# KiCad board haptic display 8x8 aisler.kicad_pcb (continued)
## Routing (per net, layer and track width the routed paths; a pad name or vN(x,y) marks a point on that pad's centre or on a via; arc(x,y) is an arc through that point) (continued)
  In1.Cu w0.15: v1(65.35,120) 65,120.35 65,120.55 64.68,120.56 64.37,120.6 64.06,120.66 63.75,120.74 63.45,120.84 63.16,120.97 62.88,121.11 62.61,121.28 62.35,121.46 62.1,121.66 61.88,121.88 61.66,122.11 61.47,122.36 61.29,122.62 61.13,122.89 60.99,123.17 60.88,123.46 60.78,123.76 60.7,124.07 60.65,124.37 60.62,124.69 60.61,125 60.63,125.31 60.66,125.62 60.72,125.93 60.8,126.23 60.9,126.53 61.02,126.82 61.17,127.09 61.33,127.36 61.51,127.61 61.71,127.85 61.92,128.08 62.15,128.29 62.39,128.48 62.65,128.66 62.92,128.81 63.2,128.95 63.48,129.07 63.78,129.16 64.08,129.23 64.38,129.29 64.69,129.32 65,129.32 65.31,129.31 65.61,129.28 65.92,129.22 66.22,129.14 66.51,129.04 66.79,128.92 67.06,128.78 67.33,128.62 67.58,128.44 67.81,128.25 68.04,128.04 68.24,127.81 68.43,127.57 68.6,127.32 68.76,127.05 68.89,126.78 69.01,126.49 69.1,126.2 69.17,125.91 69.22,125.61 69.25,125.3 69.26,125 69.25,124.7 69.21,124.39 69.16,124.1 69.08,123.8 68.98,123.52 68.86,123.24 68.72,122.97 68.57,122.71 68.39,122.46 68.2,122.23 67.99,122.01 67.77,121.8 67.53,121.62 67.28,121.45 67.02,121.3 66.75,121.16 66.47,121.05 66.19,120.96 65.89,120.89 65.6,120.84 65.3,120.81 65,120.8 64.69,120.81 64.37,120.85 64.07,120.91 63.77,121 63.47,121.1 63.19,121.23 62.91,121.38 62.65,121.55 62.4,121.74 62.16,121.94 61.95,122.17 61.74,122.4 61.56,122.66 61.4,122.92 61.26,123.2 61.13,123.48 61.03,123.78 60.96,124.08 60.9,124.38 60.87,124.69 60.86,125 60.88,125.31 60.91,125.62 60.97,125.92 61.06,126.22 61.16,126.51 61.29,126.79 61.43,127.06 61.6,127.32 61.79,127.56 61.99,127.79 62.21,128.01 62.44,128.21 62.69,128.39 62.95,128.55 63.22,128.69 63.51,128.81 63.8,128.91 64.09,128.98 64.39,129.04 64.7,129.07 65,129.07 65.3,129.06 65.61,129.02 65.9,128.96 66.2,128.88 66.48,128.78 66.76,128.66 67.03,128.51 67.28,128.35 67.52,128.17 67.75,127.97 67.96,127.75 68.16,127.52 68.33,127.27 68.49,127.02 68.63,126.75 68.75,126.47 68.85,126.19 68.92,125.89 68.97,125.6 69,125.3 69.01,125 69,124.7 68.96,124.4 68.9,124.11 68.82,123.82 68.72,123.54 68.6,123.27 68.46,123 68.3,122.75 68.12,122.51 67.92,122.29 67.71,122.08 67.48,121.89 67.24,121.72 66.99,121.56 66.72,121.43 66.45,121.31 66.17,121.21 65.88,121.14 65.59,121.09 65.3,121.06 65,121.05 64.69,121.07 64.38,121.1 64.08,121.17 63.78,121.26 63.49,121.37 63.22,121.5 62.95,121.65 62.69,121.82 62.45,122.02 62.23,122.23 62.02,122.46 61.83,122.7 61.67,122.96 61.52,123.23 61.39,123.51 61.29,123.79 61.21,124.09 61.15,124.39 61.12,124.69 61.11,125 61.13,125.3 61.17,125.61 61.23,125.91 61.31,126.2 61.42,126.48 61.55,126.76 61.7,127.02 61.88,127.27 62.07,127.51 62.27,127.73 62.5,127.93 62.74,128.11 62.99,128.28 63.25,128.42 63.53,128.55 63.81,128.65 64.1,128.73 64.4,128.78 64.7,128.82 65,128.82 65.3,128.81 65.6,128.77 65.89,128.71 66.18,128.63 66.46,128.52 66.73,128.39 66.99,128.24 67.23,128.07 67.47,127.89 67.68,127.68 67.88,127.46 68.06,127.23 68.23,126.98 68.37,126.72 68.49,126.45 68.59,126.17 68.67,125.88 68.72,125.59 68.75,125.3 68.76,125 68.75,124.71 68.71,124.41 68.65,124.12 68.57,123.84 68.46,123.57 68.34,123.3 68.19,123.05 68.02,122.8 67.84,122.57 67.64,122.36 67.42,122.17 67.19,121.99 66.94,121.83 66.69,121.69 66.42,121.57 66.15,121.47 65.87,121.39 65.58,121.34 65.29,121.31 65,121.3 64.69,121.32 64.39,121.36 64.09,121.42 63.8,121.51 63.52,121.63 63.25,121.76 62.99,121.92 62.74,122.1 62.51,122.3 62.3,122.52 62.11,122.75 61.94,123 61.78,123.26 61.65,123.53 61.55,123.81 61.46,124.1 61.41,124.4 61.37,124.7 61.36,125 61.38,125.3 61.42,125.6 61.48,125.89 61.57,126.18 61.68,126.45 61.82,126.72 61.97,126.98 62.15,127.22 62.35,127.44 62.56,127.65 62.79,127.84 63.03,128.01 63.29,128.16 63.56,128.29 63.83,128.39 64.12,128.48 64.41,128.53 64.7,128.57 65,128.57 65.29,128.56 65.59,128.52 65.88,128.46 66.16,128.37 66.43,128.26 66.69,128.13 66.94,127.97 67.18,127.8 67.4,127.61 67.61,127.4 67.79,127.17 67.96,126.93 68.11,126.68 68.23,126.42 68.33,126.14 68.41,125.86 68.47,125.58 68.5,125.29 68.51,125 68.5,124.71 68.46,124.42 68.4,124.14 68.31,123.86 68.2,123.6 68.07,123.34 67.92,123.09 67.75,122.86 67.56,122.64 67.36,122.44 67.14,122.26 66.9,122.09 66.65,121.95 66.39,121.83 66.12,121.72 65.85,121.65 65.57,121.59 65.29,121.56 65,121.55 64.7,121.57 64.4,121.61 64.11,121.68 63.82,121.77 63.55,121.89 63.29,122.03 63.04,122.19 62.8,122.38 62.58,122.58 62.38,122.8 62.21,123.04 62.05,123.3 61.91,123.56 61.8,123.84 61.72,124.12 61.66,124.41 61.62,124.7 61.61,125 61.63,125.29 61.67,125.59 61.74,125.87 61.83,126.15 61.95,126.42 62.08,126.68 62.25,126.93 62.43,127.16 62.63,127.37 62.84,127.57 63.08,127.74 63.33,127.9 63.59,128.03 63.86,128.14 64.14,128.22 64.42,128.28 64.71,128.32 65,128.32 65.29,128.31 65.58,128.27 65.86,128.2 66.13,128.11 66.4,128 66.65,127.86 66.89,127.7 67.12,127.53 67.33,127.33 67.52,127.11 67.69,126.89 67.84,126.64 67.97,126.39 68.08,126.12 68.16,125.85 68.22,125.57 68.25,125.28 68.26,125 68.25,124.72 68.21,124.43 68.14,124.16 68.05,123.89 67.94,123.63 67.81,123.38 67.65,123.14 67.48,122.92 67.28,122.72 67.07,122.53 66.85,122.36 66.61,122.21 66.36,122.08 66.1,121.98 65.83,121.9 65.56,121.84 65.28,121.81 65,121.8 64.71,121.82 64.41,121.86 64.13,121.93 63.85,122.03 63.58,122.15 63.33,122.3 63.09,122.47 62.86,122.66 62.66,122.87 62.48,123.09 62.31,123.34 62.17,123.59 62.06,123.86 61.97,124.14 61.91,124.42 61.87,124.71 61.86,125 61.88,125.29 61.92,125.58 61.99,125.86 62.09,126.13 62.21,126.39 62.35,126.64 62.52,126.88 62.7,127.09 62.91,127.29 63.13,127.47 63.37,127.63 63.62,127.77 63.88,127.88 64.16,127.97 64.43,128.03 64.72,128.07 65,128.07 65.28,128.06 65.56,128.02 65.84,127.95 66.11,127.85 66.36,127.74 66.61,127.6 66.84,127.43 67.05,127.25 67.25,127.05 67.42,126.83 67.58,126.6 67.71,126.35 67.82,126.09 67.91,125.83 67.97,125.55 68,125.28 68.01,125 68,124.72 67.95,124.45 67.89,124.18 67.8,123.92 67.68,123.67 67.54,123.43 67.38,123.2 67.2,122.99 67.01,122.8 66.79,122.63 66.56,122.47 66.32,122.34 66.07,122.24 65.81,122.15 65.54,122.09 65.27,122.06 65,122.05 64.71,122.07 64.43,122.11 64.15,122.19 63.88,122.29 63.62,122.42 63.37,122.57 63.15,122.74 62.94,122.94 62.75,123.15 62.58,123.38 62.44,123.63 62.32,123.89 62.23,124.16 62.16,124.44 62.12,124.72 62.11,125 62.13,125.28 62.18,125.56 62.25,125.83 62.35,126.1 62.47,126.35 62.62,126.59 62.79,126.81 62.98,127.02 63.19,127.2 63.42,127.37 63.66,127.51 63.91,127.62 64.18,127.71 64.45,127.78 64.72,127.82 65,127.83 65.28,127.81 65.55,127.76 65.82,127.69 66.08,127.6 66.32,127.47 66.56,127.33 66.77,127.16 66.98,126.98 67.16,126.77 67.32,126.55 67.45,126.31 67.57,126.06 67.65,125.81 67.72,125.54 67.75,125.27 67.76,125 67.75,124.73 67.7,124.46 67.63,124.2 67.54,123.95 67.42,123.71 67.28,123.48 67.11,123.26 66.93,123.07 66.73,122.89 66.51,122.74 66.28,122.6 66.04,122.49 65.79,122.41 65.53,122.34 65.27,122.31 65,122.3 64.72,122.32 64.44,122.37 64.17,122.44 63.91,122.55 63.66,122.68 63.43,122.84 63.21,123.02 63.02,123.22 62.85,123.44 62.7,123.67 62.58,123.92 62.48,124.18 62.41,124.45 62.37,124.72 62.36,125 62.38,125.28 62.43,125.55 62.5,125.81 62.61,126.07 62.73,126.31 62.89,126.54 63.06,126.75 63.26,126.94 63.47,127.1 63.7,127.25 63.95,127.37 64.2,127.46 64.46,127.53 64.73,127.57 65,127.58 65.27,127.56 65.53,127.51 65.79,127.44 66.04,127.34 66.28,127.21 66.5,127.06 66.7,126.89 66.89,126.7 67.05,126.49 67.19,126.27 67.31,126.03 67.4,125.78 67.47,125.52 67.5,125.26 67.51,125 67.49,124.74 67.45,124.48 67.38,124.23 67.28,123.98 67.16,123.75 67.01,123.54 66.85,123.34 66.66,123.16 66.45,123 66.24,122.86 66,122.75 65.76,122.66 65.51,122.6 65.26,122.56 65,122.55 64.73,122.57 64.46,122.62 64.2,122.7 63.94,122.81 63.71,122.94 63.49,123.11 63.29,123.29 63.11,123.49 62.96,123.72 62.83,123.96 62.73,124.21 62.66,124.47 62.62,124.73 62.61,125 62.63,125.27 62.68,125.53 62.76,125.78 62.87,126.03 63,126.26 63.15,126.47 63.33,126.67 63.53,126.84 63.75,126.99 63.98,127.11 64.23,127.21 64.48,127.28 64.74,127.31 65,127.33 65.26,127.31 65.52,127.26 65.76,127.18 66,127.08 66.23,126.95 66.43,126.8 66.62,126.62 66.79,126.43 66.93,126.22 67.05,125.99 67.15,125.75 67.21,125.51 67.25,125.25 67.26,125 67.24,124.75 67.2,124.5 67.12,124.26 67.02,124.03 66.9,123.81 66.75,123.61 66.58,123.42 66.39,123.26 66.18,123.12 65.96,123 65.73,122.91 65.49,122.85 65.25,122.81 65,122.8 64.74,122.82 64.48,122.87 64.22,122.96 63.99,123.07 63.76,123.21 63.56,123.37 63.38,123.56 63.22,123.77 63.09,124 62.99,124.24 62.92,124.49 62.87,124.74 62.86,125 62.88,125.26 62.93,125.51 63.01,125.75 63.12,125.98 63.26,126.2 63.42,126.4 63.6,126.57 63.81,126.73 64.03,126.85 64.26,126.95 64.5,127.02 64.75,127.06 65,127.08 65.25,127.06 65.49,127.01 65.73,126.93 65.96,126.82 66.17,126.69 66.36,126.53 66.53,126.35 66.68,126.16 66.8,125.94 66.9,125.72 66.96,125.48 67,125.24 67.01,125 66.99,124.76 66.94,124.52 66.87,124.29 66.76,124.07 66.64,123.87 66.48,123.68 66.31,123.52 66.12,123.38 65.92,123.26 65.7,123.16 65.47,123.1 65.24,123.06 65,123.05 64.75,123.07 64.5,123.13 64.26,123.21 64.04,123.33 63.83,123.47 63.64,123.64 63.48,123.84 63.35,124.05 63.24,124.27 63.17,124.51 63.12,124.75 63.11,125 63.13,125.25 63.19,125.49 63.27,125.72 63.38,125.93 63.52,126.13 63.69,126.31 63.87,126.47 64.08,126.6 64.3,126.7 64.52,126.77 64.76,126.81 65,126.83 65.24,126.8 65.47,126.75 65.69,126.67 65.9,126.56 66.1,126.43 66.27,126.27 66.42,126.09 66.54,125.89 66.64,125.68 66.71,125.46 66.75,125.23 66.76,125 66.74,124.77 66.69,124.55 66.61,124.33 66.51,124.13 66.38,123.94 66.22,123.78 66.05,123.63 65.86,123.51 65.66,123.41 65.44,123.35 65.22,123.31 65,123.3 64.76,123.32 64.52,123.38 64.3,123.47 64.09,123.59 63.91,123.74 63.74,123.91 63.6,124.1 63.49,124.31 63.42,124.54 63.37,124.77 63.36,125 63.38,125.23 63.44,125.46 63.53,125.67 63.64,125.87 63.78,126.05 63.95,126.21 64.14,126.34 64.34,126.45 64.55,126.52 64.78,126.56 65,126.58 65.22,126.55 65.44,126.5 65.65,126.42 65.84,126.31 66.01,126.17 66.16,126.01 66.29,125.83 66.39,125.64 66.46,125.43 66.5,125.22 66.51,125 66.49,124.79 66.44,124.58 66.36,124.38 66.25,124.19 66.12,124.03 65.97,123.88 65.8,123.76 65.61,123.67 65.41,123.6 65.21,123.56 65,123.55 65,123.6 64.63,123.97 64.59,123.98 ; v1(65.35,105) 65,105.35 65,105.55 64.68,105.56 64.37,105.6 64.06,105.66 63.75,105.74 63.45,105.84 63.16,105.97 62.88,106.11 62.61,106.28 62.35,106.46 62.1,106.66 61.88,106.88 61.66,107.11 61.47,107.36 61.29,107.62 61.13,107.89 60.99,108.17 60.88,108.46 60.78,108.76 60.7,109.07 60.65,109.37 60.62,109.69 60.61,110 60.63,110.31 60.66,110.62 60.72,110.93 60.8,111.23 60.9,111.53 61.02,111.82 61.17,112.09 61.33,112.36 61.51,112.61 61.71,112.85 61.92,113.08 62.15,113.29 62.39,113.48 62.65,113.66 62.92,113.81 63.2,113.95 63.48,114.07 63.78,114.16 64.08,114.23 64.38,114.29 64.69,114.32 65,114.33 65.31,114.31 65.61,114.28 65.92,114.22 66.22,114.14 66.51,114.04 66.79,113.92 67.06,113.78 67.33,113.62 67.58,113.44 67.81,113.25 68.04,113.04 68.24,112.81 68.43,112.57 68.6,112.32 68.76,112.05 68.89,111.78 69.01,111.49 69.1,111.2 69.17,110.91 69.22,110.61 69.25,110.3 69.26,110 69.25,109.7 69.21,109.39 69.16,109.1 69.08,108.8 68.98,108.52 68.86,108.24 68.72,107.97 68.57,107.71 68.39,107.46 68.2,107.23 67.99,107.01 67.77,106.8 67.53,106.62 67.28,106.45 67.02,106.3 66.75,106.16 66.47,106.05 66.19,105.96 65.89,105.89 65.6,105.84 65.3,105.81 65,105.8 64.69,105.81 64.37,105.85 64.07,105.91 63.77,106 63.47,106.1 63.19,106.23 62.91,106.38 62.65,106.55 62.4,106.74 62.16,106.94 61.95,107.17 61.74,107.4 61.56,107.66 61.4,107.92 61.26,108.2 61.13,108.48 61.03,108.78 60.96,109.08 60.9,109.38 60.87,109.69 60.86,110 60.88,110.31 60.91,110.62 60.97,110.92 61.06,111.22 61.16,111.51 61.29,111.79 61.43,112.06 61.6,112.32 61.79,112.56 61.99,112.79 62.21,113.01 62.44,113.21 62.69,113.39 62.95,113.55 63.22,113.69 63.51,113.81 63.8,113.91 64.09,113.98 64.39,114.04 64.7,114.07 65,114.08 65.3,114.06 65.61,114.02 65.9,113.96 66.2,113.88 66.48,113.78 66.76,113.66 67.03,113.51 67.28,113.35 67.52,113.17 67.75,112.97 67.96,112.75 68.16,112.52 68.33,112.27 68.49,112.02 68.63,111.75 68.75,111.47 68.85,111.19 68.92,110.89 68.97,110.6 69,110.3 69.01,110 69,109.7 68.96,109.4 68.9,109.11 68.82,108.82 68.72,108.54 68.6,108.27 68.46,108 68.3,107.75 68.12,107.51 67.92,107.29 67.71,107.08 67.48,106.89 67.24,106.72 66.99,106.56 66.72,106.43 66.45,106.31 66.17,106.21 65.88,106.14 65.59,106.09 65.3,106.06 65,106.05 64.69,106.07 64.38,106.1 64.08,106.17 63.78,106.26 63.49,106.37 63.22,106.5 62.95,106.65 62.69,106.82 62.45,107.02 62.23,107.23 62.02,107.46 61.83,107.7 61.67,107.96 61.52,108.23 61.39,108.51 61.29,108.79 61.21,109.09 61.15,109.39 61.12,109.69 61.11,110 61.13,110.3 61.17,110.61 61.23,110.91 61.31,111.2 61.42,111.48 61.55,111.76 61.7,112.02 61.88,112.27 62.07,112.51 62.27,112.73 62.5,112.93 62.74,113.11 62.99,113.28 63.25,113.42 63.53,113.55 63.81,113.65 64.1,113.73 64.4,113.78 64.7,113.82 65,113.83 65.3,113.81 65.6,113.77 65.89,113.71 66.18,113.63 66.46,113.52 66.73,113.39 66.99,113.24 67.23,113.07 67.47,112.89 67.68,112.68 67.88,112.46 68.06,112.23 68.23,111.98 68.37,111.72 68.49,111.45 68.59,111.17 68.67,110.88 68.72,110.59 68.75,110.3 68.76,110 68.75,109.71 68.71,109.41 68.65,109.12 68.57,108.84 68.46,108.57 68.34,108.3 68.19,108.05 68.02,107.8 67.84,107.57 67.64,107.36 67.42,107.17 67.19,106.99 66.94,106.83 66.69,106.69 66.42,106.57 66.15,106.47 65.87,106.39 65.58,106.34 65.29,106.31 65,106.3 64.69,106.32 64.39,106.36 64.09,106.42 63.8,106.51 63.52,106.63 63.25,106.76 62.99,106.92 62.74,107.1 62.51,107.3 62.3,107.52 62.11,107.75 61.94,108 61.78,108.26 61.65,108.53 61.55,108.81 61.46,109.1 61.41,109.4 61.37,109.7 61.36,110 61.38,110.3 61.42,110.6 61.48,110.89 61.57,111.18 61.68,111.45 61.82,111.72 61.97,111.98 62.15,112.22 62.35,112.44 62.56,112.65 62.79,112.84 63.03,113.01 63.29,113.16 63.56,113.29 63.83,113.39 64.12,113.48 64.41,113.53 64.7,113.57 65,113.58 65.29,113.56 65.59,113.52 65.88,113.46 66.16,113.37 66.43,113.26 66.69,113.13 66.94,112.97 67.18,112.8 67.4,112.61 67.61,112.4 67.79,112.17 67.96,111.93 68.11,111.68 68.23,111.42 68.33,111.14 68.41,110.86 68.47,110.58 68.5,110.29 68.51,110 68.5,109.71 68.46,109.42 68.4,109.14 68.31,108.86 68.2,108.6 68.07,108.34 67.92,108.09 67.75,107.86 67.56,107.64 67.36,107.44 67.14,107.26 66.9,107.09 66.65,106.95 66.39,106.83 66.12,106.72 65.85,106.65 65.57,106.59 65.29,106.56 65,106.55 64.7,106.57 64.4,106.61 64.11,106.68 63.82,106.77 63.55,106.89 63.29,107.03 63.04,107.19 62.8,107.38 62.58,107.58 62.38,107.8 62.21,108.04 62.05,108.3 61.91,108.56 61.8,108.84 61.72,109.12 61.66,109.41 61.62,109.7 61.61,110 61.63,110.29 61.67,110.59 61.74,110.87 61.83,111.15 61.95,111.42 62.08,111.68 62.25,111.93 62.43,112.16 62.63,112.37 62.84,112.57 63.08,112.74 63.33,112.9 63.59,113.03 63.86,113.14 64.14,113.22 64.42,113.28 64.71,113.32 65,113.33 65.29,113.31 65.58,113.27 65.86,113.2 66.13,113.11 66.4,113 66.65,112.86 66.89,112.7 67.12,112.53 67.33,112.33 67.52,112.11 67.69,111.89 67.84,111.64 67.97,111.39 68.08,111.12 68.16,110.85 68.22,110.57 68.25,110.28 68.26,110 68.25,109.72 68.21,109.43 68.14,109.16 68.05,108.89 67.94,108.63 67.81,108.38 67.65,108.14 67.48,107.92 67.28,107.72 67.07,107.53 66.85,107.36 66.61,107.21 66.36,107.08 66.1,106.98 65.83,106.9 65.56,106.84 65.28,106.81 65,106.8 64.71,106.82 64.41,106.86 64.13,106.93 63.85,107.03 63.58,107.15 63.33,107.3 63.09,107.47 62.86,107.66 62.66,107.87 62.48,108.09 62.31,108.34 62.17,108.59 62.06,108.86 61.97,109.14 61.91,109.42 61.87,109.71 61.86,110 61.88,110.29 61.92,110.58 61.99,110.86 62.09,111.13 62.21,111.39 62.35,111.64 62.52,111.88 62.7,112.09 62.91,112.29 63.13,112.47 63.37,112.63 63.62,112.77 63.88,112.88 64.16,112.97 64.43,113.03 64.72,113.07 65,113.08 65.28,113.06 65.56,113.02 65.84,112.95 66.11,112.85 66.36,112.74 66.61,112.6 66.84,112.43 67.05,112.25 67.25,112.05 67.42,111.83 67.58,111.6 67.71,111.35 67.82,111.09 67.91,110.83 67.97,110.55 68,110.28 68.01,110 68,109.72 67.95,109.45 67.89,109.18 67.8,108.92 67.68,108.67 67.54,108.43 67.38,108.2 67.2,107.99 67.01,107.8 66.79,107.63 66.56,107.47 66.32,107.34 66.07,107.24 65.81,107.15 65.54,107.09 65.27,107.06 65,107.05 64.71,107.07 64.43,107.11 64.15,107.19 63.88,107.29 63.62,107.42 63.37,107.57 63.15,107.74 62.94,107.94 62.75,108.15 62.58,108.38 62.44,108.63 62.32,108.89 62.23,109.16 62.16,109.44 62.12,109.72 62.11,110 62.13,110.28 62.18,110.56 62.25,110.83 62.35,111.1 62.47,111.35 62.62,111.59 62.79,111.81 62.98,112.02 63.19,112.2 63.42,112.37 63.66,112.51 63.91,112.62 64.18,112.71 64.45,112.78 64.72,112.82 65,112.83 65.28,112.81 65.55,112.76 65.82,112.69 66.08,112.6 66.32,112.47 66.56,112.33 66.77,112.16 66.98,111.98 67.16,111.77 67.32,111.55 67.45,111.31 67.57,111.06 67.65,110.81 67.72,110.54 67.75,110.27 67.76,110 67.75,109.73 67.7,109.46 67.63,109.2 67.54,108.95 67.42,108.71 67.28,108.48 67.11,108.26 66.93,108.07 66.73,107.89 66.51,107.74 66.28,107.6 66.04,107.49 65.79,107.41 65.53,107.34 65.27,107.31 65,107.3 64.72,107.32 64.44,107.37 64.17,107.44 63.91,107.55 63.66,107.68 63.43,107.84 63.21,108.02 63.02,108.22 62.85,108.44 62.7,108.67 62.58,108.92 62.48,109.18 62.41,109.45 62.37,109.72 62.36,110 62.38,110.28 62.43,110.55 62.5,110.81 62.61,111.07 62.73,111.31 62.89,111.54 63.06,111.75 63.26,111.94 63.47,112.1 63.7,112.25 63.95,112.37 64.2,112.46 64.46,112.53 64.73,112.57 65,112.58 65.27,112.56 65.53,112.51 65.79,112.44 66.04,112.34 66.28,112.21 66.5,112.06 66.7,111.89 66.89,111.7 67.05,111.49 67.19,111.27 67.31,111.03 67.4,110.78 67.47,110.52 67.5,110.26 67.51,110 67.49,109.74 67.45,109.48 67.38,109.23 67.28,108.98 67.16,108.75 67.01,108.54 66.85,108.34 66.66,108.16 66.45,108 66.24,107.86 66,107.75 65.76,107.66 65.51,107.6 65.26,107.56 65,107.55 64.73,107.57 64.46,107.62 64.2,107.7 63.94,107.81 63.71,107.94 63.49,108.11 63.29,108.29 63.11,108.49 62.96,108.72 62.83,108.96 62.73,109.21 62.66,109.47 62.62,109.73 62.61,110 62.63,110.27 62.68,110.53 62.76,110.78 62.87,111.03 63,111.26 63.15,111.47 63.33,111.67 63.53,111.84 63.75,111.99 63.98,112.11 64.23,112.21 64.48,112.28 64.74,112.31 65,112.33 65.26,112.31 65.52,112.26 65.76,112.18 66,112.08 66.23,111.95 66.43,111.8 66.62,111.62 66.79,111.43 66.93,111.22 67.05,110.99 67.15,110.75 67.21,110.51 67.25,110.25 67.26,110 67.24,109.75 67.2,109.5 67.12,109.26 67.02,109.03 66.9,108.81 66.75,108.61 66.58,108.42 66.39,108.26 66.18,108.12 65.96,108 65.73,107.91 65.49,107.85 65.25,107.81 65,107.8 64.74,107.82 64.48,107.87 64.22,107.96 63.99,108.07 63.76,108.21 63.56,108.37 63.38,108.56 63.22,108.77 63.09,109 62.99,109.24 62.92,109.49 62.87,109.74 62.86,110 62.88,110.26 62.93,110.51 63.01,110.75 63.12,110.98 63.26,111.2 63.42,111.4 63.6,111.57 63.81,111.73 64.03,111.85 64.26,111.95 64.5,112.02 64.75,112.06 65,112.08 65.25,112.06 65.49,112.01 65.73,111.93 65.96,111.82 66.17,111.69 66.36,111.53 66.53,111.35 66.68,111.16 66.8,110.94 66.9,110.72 66.96,110.48 67,110.24 67.01,110 66.99,109.76 66.94,109.52 66.87,109.29 66.76,109.07 66.64,108.87 66.48,108.68 66.31,108.52 66.12,108.38 65.92,108.26 65.7,108.16 65.47,108.1 65.24,108.06 65,108.05 64.75,108.07 64.5,108.13 64.26,108.21 64.04,108.33 63.83,108.47 63.64,108.64 63.48,108.84 63.35,109.05 63.24,109.27 63.17,109.51 63.12,109.75 63.11,110 63.13,110.25 63.19,110.49 63.27,110.72 63.38,110.93 63.52,111.13 63.69,111.31 63.87,111.47 64.08,111.6 64.3,111.7 64.52,111.77 64.76,111.81 65,111.83 65.24,111.8 65.47,111.75 65.69,111.67 65.9,111.56 66.1,111.43 66.27,111.27 66.42,111.09 66.54,110.89 66.64,110.68 66.71,110.46 66.75,110.23 66.76,110 66.74,109.77 66.69,109.55 66.61,109.33 66.51,109.13 66.38,108.94 66.22,108.78 66.05,108.63 65.86,108.51 65.66,108.41 65.44,108.35 65.22,108.31 65,108.3 64.76,108.32 64.52,108.38 64.3,108.47 64.09,108.59 63.91,108.74 63.74,108.91 63.6,109.1 63.49,109.31 63.42,109.54 63.37,109.77 63.36,110 63.38,110.23 63.44,110.46 63.53,110.67 63.64,110.87 63.78,111.05 63.95,111.21 64.14,111.34 64.34,111.45 64.55,111.52 64.78,111.56 65,111.58 65.22,111.55 65.44,111.5 65.65,111.42 65.84,111.31 66.01,111.17 66.16,111.01 66.29,110.83 66.39,110.64 66.46,110.43 66.5,110.22 66.51,110 66.49,109.79 66.44,109.58 66.36,109.38 66.25,109.19 66.12,109.03 65.97,108.88 65.8,108.76 65.61,108.67 65.41,108.6 65.21,108.56 65,108.55 65,108.6 64.63,108.97 64.59,108.98 ; v1(65.35,90) 65,90.35 65,90.55 64.68,90.56 64.37,90.6 64.06,90.66 63.75,90.74 63.45,90.84 63.16,90.97 62.88,91.11 62.61,91.28 62.35,91.46 62.1,91.66 61.88,91.88 61.66,92.11 61.47,92.36 61.29,92.62 61.13,92.89 60.99,93.17 60.88,93.46 60.78,93.76 60.7,94.07 60.65,94.37 60.62,94.69 60.61,95 60.63,95.31 60.66,95.62 60.72,95.93 60.8,96.23 60.9,96.53 61.02,96.82 61.17,97.09 61.33,97.36 61.51,97.61 61.71,97.85 61.92,98.08 62.15,98.29 62.39,98.48 62.65,98.66 62.92,98.81 63.2,98.95 63.48,99.07 63.78,99.16 64.08,99.23 64.38,99.29 64.69,99.32 65,99.33 65.31,99.31 65.61,99.28 65.92,99.22 66.22,99.14 66.51,99.04 66.79,98.92 67.06,98.78 67.33,98.62 67.58,98.44 67.81,98.25 68.04,98.04 68.24,97.81 68.43,97.57 68.6,97.32 68.76,97.05 68.89,96.78 69.01,96.49 69.1,96.2 69.17,95.91 69.22,95.61 69.25,95.3 69.26,95 69.25,94.7 69.21,94.39 69.16,94.1 69.08,93.8 68.98,93.52 68.86,93.24 68.72,92.97 68.57,92.71 68.39,92.46 68.2,92.23 67.99,92.01 67.77,91.8 67.53,91.62 67.28,91.45 67.02,91.3 66.75,91.16 66.47,91.05 66.19,90.96 65.89,90.89 65.6,90.84 65.3,90.81 65,90.8 64.69,90.81 64.37,90.85 64.07,90.91 63.77,91 63.47,91.1 63.19,91.23 62.91,91.38 62.65,91.55 62.4,91.74 62.16,91.94 61.95,92.17 61.74,92.4 61.56,92.66 61.4,92.92 61.26,93.2 61.13,93.48 61.03,93.78 60.96,94.08 60.9,94.38 60.87,94.69 60.86,95 60.88,95.31 60.91,95.62 60.97,95.92 61.06,96.22 61.16,96.51 61.29,96.79 61.43,97.06 61.6,97.32 61.79,97.56 61.99,97.79 62.21,98.01 62.44,98.21 62.69,98.39 62.95,98.55 63.22,98.69 63.51,98.81 63.8,98.91 64.09,98.98 64.39,99.04 64.7,99.07 65,99.08 65.3,99.06 65.61,99.02 65.9,98.96 66.2,98.88 66.48,98.78 66.76,98.66 67.03,98.51 67.28,98.35 67.52,98.17 67.75,97.97 67.96,97.75 68.16,97.52 68.33,97.27 68.49,97.02 68.63,96.75 68.75,96.47 68.85,96.19 68.92,95.89 68.97,95.6 69,95.3 69.01,95 69,94.7 68.96,94.4 68.9,94.11 68.82,93.82 68.72,93.54 68.6,93.27 68.46,93 68.3,92.75 68.12,92.51 67.92,92.29 67.71,92.08 67.48,91.89 67.24,91.72 66.99,91.56 66.72,91.43 66.45,91.31 66.17,91.21 65.88,91.14 65.59,91.09 65.3,91.06 65,91.05 64.69,91.07 64.38,91.1 64.08,91.17 63.78,91.26 63.49,91.37 63.22,91.5 62.95,91.65 62.69,91.82 62.45,92.02 62.23,92.23 62.02,92.46 61.83,92.7 61.67,92.96 61.52,93.23 61.39,93.51 61.29,93.79 61.21,94.09 61.15,94.39 61.12,94.69 61.11,95 61.13,95.3 61.17,95.61 61.23,95.91 61.31,96.2 61.42,96.48 61.55,96.76 61.7,97.02 61.88,97.27 62.07,97.51 62.27,97.73 62.5,97.93 62.74,98.11 62.99,98.28 63.25,98.42 63.53,98.55 63.81,98.65 64.1,98.73 64.4,98.78 64.7,98.82 65,98.83 65.3,98.81 65.6,98.77 65.89,98.71 66.18,98.63 66.46,98.52 66.73,98.39 66.99,98.24 67.23,98.07 67.47,97.89 67.68,97.68 67.88,97.46 68.06,97.23 68.23,96.98 68.37,96.72 68.49,96.45 68.59,96.17 68.67,95.88 68.72,95.59 68.75,95.3 68.76,95 68.75,94.71 68.71,94.41 68.65,94.12 68.57,93.84 68.46,93.57 68.34,93.3 68.19,93.05 68.02,92.8 67.84,92.57 67.64,92.36 67.42,92.17 67.19,91.99 66.94,91.83 66.69,91.69 66.42,91.57 66.15,91.47 65.87,91.39 65.58,91.34 65.29,91.31 65,91.3 64.69,91.32 64.39,91.36 64.09,91.42 63.8,91.51 63.52,91.63 63.25,91.76 62.99,91.92 62.74,92.1 62.51,92.3 62.3,92.52 62.11,92.75 61.94,93 61.78,93.26 61.65,93.53 61.55,93.81 61.46,94.1 61.41,94.4 61.37,94.7 61.36,95 61.38,95.3 61.42,95.6 61.48,95.89 61.57,96.18 61.68,96.45 61.82,96.72 61.97,96.98 62.15,97.22 62.35,97.44 62.56,97.65 62.79,97.84 63.03,98.01 63.29,98.16 63.56,98.29 63.83,98.39 64.12,98.48 64.41,98.53 64.7,98.57 65,98.58 65.29,98.56 65.59,98.52 65.88,98.46 66.16,98.37 66.43,98.26 66.69,98.13 66.94,97.97 67.18,97.8 67.4,97.61 67.61,97.4 67.79,97.17 67.96,96.93 68.11,96.68 68.23,96.42 68.33,96.14 68.41,95.86 68.47,95.58 68.5,95.29 68.51,95 68.5,94.71 68.46,94.42 68.4,94.14 68.31,93.86 68.2,93.6 68.07,93.34 67.92,93.09 67.75,92.86 67.56,92.64 67.36,92.44 67.14,92.26 66.9,92.09 66.65,91.95 66.39,91.83 66.12,91.72 65.85,91.65 65.57,91.59 65.29,91.56 65,91.55 64.7,91.57 64.4,91.61 64.11,91.68 63.82,91.77 63.55,91.89 63.29,92.03 63.04,92.19 62.8,92.38 62.58,92.58 62.38,92.8 62.21,93.04 62.05,93.3 61.91,93.56 61.8,93.84 61.72,94.12 61.66,94.41 61.62,94.7 61.61,95 61.63,95.29 61.67,95.59 61.74,95.87 61.83,96.15 61.95,96.42 62.08,96.68 62.25,96.93 62.43,97.16 62.63,97.37 62.84,97.57 63.08,97.74 63.33,97.9 63.59,98.03 63.86,98.14 64.14,98.22 64.42,98.28 64.71,98.32 65,98.33 65.29,98.31 65.58,98.27 65.86,98.2 66.13,98.11 66.4,98 66.65,97.86 66.89,97.7 67.12,97.53 67.33,97.33 67.52,97.11 67.69,96.89 67.84,96.64 67.97,96.39 68.08,96.12 68.16,95.85 68.22,95.57 68.25,95.28 68.26,95 68.25,94.72 68.21,94.43 68.14,94.16 68.05,93.89 67.94,93.63 67.81,93.38 67.65,93.14 67.48,92.92 67.28,92.72 67.07,92.53 66.85,92.36 66.61,92.21 66.36,92.08 66.1,91.98 65.83,91.9 65.56,91.84 65.28,91.81 65,91.8 64.71,91.82 64.41,91.86 64.13,91.93 63.85,92.03 63.58,92.15 63.33,92.3 63.09,92.47 62.86,92.66 62.66,92.87 62.48,93.09 62.31,93.34 62.17,93.59 62.06,93.86 61.97,94.14 61.91,94.42 61.87,94.71 61.86,95 61.88,95.29 61.92,95.58 61.99,95.86 62.09,96.13 62.21,96.39 62.35,96.64 62.52,96.88 62.7,97.09 62.91,97.29 63.13,97.47 63.37,97.63 63.62,97.77 63.88,97.88 64.16,97.97 64.43,98.03 64.72,98.07 65,98.08 65.28,98.06 65.56,98.02 65.84,97.95 66.11,97.85 66.36,97.74 66.61,97.6 66.84,97.43 67.05,97.25 67.25,97.05 67.42,96.83 67.58,96.6 67.71,96.35 67.82,96.09 67.91,95.83 67.97,95.55 68,95.28 68.01,95 68,94.72 67.95,94.45 67.89,94.18 67.8,93.92 67.68,93.67 67.54,93.43 67.38,93.2 67.2,92.99 67.01,92.8 66.79,92.63 66.56,92.47 66.32,92.34 66.07,92.24 65.81,92.15 65.54,92.09 65.27,92.06 65,92.05 64.71,92.07 64.43,92.11 64.15,92.19 63.88,92.29 63.62,92.42 63.37,92.57 63.15,92.74 62.94,92.94 62.75,93.15 62.58,93.38 62.44,93.63 62.32,93.89 62.23,94.16 62.16,94.44 62.12,94.72 62.11,95 62.13,95.28 62.18,95.56 62.25,95.83 62.35,96.1 62.47,96.35 62.62,96.59 62.79,96.81 62.98,97.02 63.19,97.2 63.42,97.37 63.66,97.51 63.91,97.62 64.18,97.71 64.45,97.78 64.72,97.82 65,97.83 65.28,97.81 65.55,97.76 65.82,97.69 66.08,97.6 66.32,97.47 66.56,97.33 66.77,97.16 66.98,96.98 67.16,96.77 67.32,96.55 67.45,96.31 67.57,96.06 67.65,95.81 67.72,95.54 67.75,95.27 67.76,95 67.75,94.73 67.7,94.46 67.63,94.2 67.54,93.95 67.42,93.71 67.28,93.48 67.11,93.26 66.93,93.07 66.73,92.89 66.51,92.74 66.28,92.6 66.04,92.49 65.79,92.41 65.53,92.34 65.27,92.31 65,92.3 64.72,92.32 64.44,92.37 64.17,92.44 63.91,92.55 63.66,92.68 63.43,92.84 63.21,93.02 63.02,93.22 62.85,93.44 62.7,93.67 62.58,93.92 62.48,94.18 62.41,94.45 62.37,94.72 62.36,95 62.38,95.28 62.43,95.55 62.5,95.81 62.61,96.07 62.73,96.31 62.89,96.54 63.06,96.75 63.26,96.94 63.47,97.1 63.7,97.25 63.95,97.37 64.2,97.46 64.46,97.53 64.73,97.57 65,97.58 65.27,97.56 65.53,97.51 65.79,97.44 66.04,97.34 66.28,97.21 66.5,97.06 66.7,96.89 66.89,96.7 67.05,96.49 67.19,96.27 67.31,96.03 67.4,95.78 67.47,95.52 67.5,95.26 67.51,95 67.49,94.74 67.45,94.48 67.38,94.23 67.28,93.98 67.16,93.75 67.01,93.54 66.85,93.34 66.66,93.16 66.45,93 66.24,92.86 66,92.75 65.76,92.66 65.51,92.6 65.26,92.56 65,92.55 64.73,92.57 64.46,92.62 64.2,92.7 63.94,92.81 63.71,92.94 63.49,93.11 63.29,93.29 63.11,93.49 62.96,93.72 62.83,93.96 62.73,94.21 62.66,94.47 62.62,94.73 62.61,95 62.63,95.27 62.68,95.53 62.76,95.78 62.87,96.03 63,96.26 63.15,96.47 63.33,96.67 63.53,96.84 63.75,96.99 63.98,97.11 64.23,97.21 64.48,97.28 64.74,97.31 65,97.33 65.26,97.31 65.52,97.26 65.76,97.18 66,97.08 66.23,96.95 66.43,96.8 66.62,96.62 66.79,96.43 66.93,96.22 67.05,95.99 67.15,95.75 67.21,95.51 67.25,95.25 67.26,95 67.24,94.75 67.2,94.5 67.12,94.26 67.02,94.03 66.9,93.81 66.75,93.61 66.58,93.42 66.39,93.26 66.18,93.12 65.96,93 65.73,92.91 65.49,92.85 65.25,92.81 65,92.8 64.74,92.82 64.48,92.87 64.22,92.96 63.99,93.07 63.76,93.21 63.56,93.37 63.38,93.56 63.22,93.77 63.09,94 62.99,94.24 62.92,94.49 62.87,94.74 62.86,95 62.88,95.26 62.93,95.51 63.01,95.75 63.12,95.98 63.26,96.2 63.42,96.4 63.6,96.57 63.81,96.73 64.03,96.85 64.26,96.95 64.5,97.02 64.75,97.06 65,97.08 65.25,97.06 65.49,97.01 65.73,96.93 65.96,96.82 66.17,96.69 66.36,96.53 66.53,96.35 66.68,96.16 66.8,95.94 66.9,95.72 66.96,95.48 67,95.24 67.01,95 66.99,94.76 66.94,94.52 66.87,94.29 66.76,94.07 66.64,93.87 66.48,93.68 66.31,93.52 66.12,93.38 65.92,93.26 65.7,93.16 65.47,93.1 65.24,93.06 65,93.05 64.75,93.07 64.5,93.13 64.26,93.21 64.04,93.33 63.83,93.47 63.64,93.64 63.48,93.84 63.35,94.05 63.24,94.27 63.17,94.51 63.12,94.75 63.11,95 63.13,95.25 63.19,95.49 63.27,95.72 63.38,95.93 63.52,96.13 63.69,96.31 63.87,96.47 64.08,96.6 64.3,96.7 64.52,96.77 64.76,96.81 65,96.83 65.24,96.8 65.47,96.75 65.69,96.67 65.9,96.56 66.1,96.43 66.27,96.27 66.42,96.09 66.54,95.89 66.64,95.68 66.71,95.46 66.75,95.23 66.76,95 66.74,94.77 66.69,94.55 66.61,94.33 66.51,94.13 66.38,93.94 66.22,93.78 66.05,93.63 65.86,93.51 65.66,93.41 65.44,93.35 65.22,93.31 65,93.3 64.76,93.32 64.52,93.38 64.3,93.47 64.09,93.59 63.91,93.74 63.74,93.91 63.6,94.1 63.49,94.31 63.42,94.54 63.37,94.77 63.36,95 63.38,95.23 63.44,95.46 63.53,95.67 63.64,95.87 63.78,96.05 63.95,96.21 64.14,96.34 64.34,96.45 64.55,96.52 64.78,96.56 65,96.58 65.22,96.55 65.44,96.5 65.65,96.42 65.84,96.31 66.01,96.17 66.16,96.01 66.29,95.83 66.39,95.64 66.46,95.43 66.5,95.22 66.51,95 66.49,94.79 66.44,94.58 66.36,94.38 66.25,94.19 66.12,94.03 65.97,93.88 65.8,93.76 65.61,93.67 65.41,93.6 65.21,93.56 65,93.55 65,93.6 64.63,93.97 64.59,93.98 ; v1(65.35,75) 65,75.35 65,75.55 64.68,75.56 64.37,75.6 64.06,75.66 63.75,75.74 63.45,75.84 63.16,75.97 62.88,76.11 62.61,76.28 62.35,76.46 62.1,76.66 61.88,76.88 61.66,77.11 61.47,77.36 61.29,77.62 61.13,77.89 60.99,78.17 60.88,78.46 60.78,78.76 60.7,79.07 60.65,79.37 60.62,79.69 60.61,80 60.63,80.31 60.66,80.62 60.72,80.93 60.8,81.23 60.9,81.53 61.02,81.82 61.17,82.09 61.33,82.36 61.51,82.61 61.71,82.85 61.92,83.08 62.15,83.29 62.39,83.48 62.65,83.66 62.92,83.81 63.2,83.95 63.48,84.07 63.78,84.16 64.08,84.23 64.38,84.29 64.69,84.32 65,84.33 65.31,84.31 65.61,84.28 65.92,84.22 66.22,84.14 66.51,84.04 66.79,83.92 67.06,83.78 67.33,83.62 67.58,83.44 67.81,83.25 68.04,83.04 68.24,82.81 68.43,82.57 68.6,82.32 68.76,82.05 68.89,81.78 69.01,81.49 69.1,81.2 69.17,80.91 69.22,80.61 69.25,80.3 69.26,80 69.25,79.7 69.21,79.39 69.16,79.1 69.08,78.8 68.98,78.52 68.86,78.24 68.72,77.97 68.57,77.71 68.39,77.46 68.2,77.23 67.99,77.01 67.77,76.8 67.53,76.62 67.28,76.45 67.02,76.3 66.75,76.16 66.47,76.05 66.19,75.96 65.89,75.89 65.6,75.84 65.3,75.81 65,75.8 64.69,75.81 64.37,75.85 64.07,75.91 63.77,76 63.47,76.1 63.19,76.23 62.91,76.38 62.65,76.55 62.4,76.74 62.16,76.94 61.95,77.17 61.74,77.4 61.56,77.66 61.4,77.92 61.26,78.2 61.13,78.48 61.03,78.78 60.96,79.08 60.9,79.38 60.87,79.69 60.86,80 60.88,80.31 60.91,80.62 60.97,80.92 61.06,81.22 61.16,81.51 61.29,81.79 61.43,82.06 61.6,82.32 61.79,82.56 61.99,82.79 62.21,83.01 62.44,83.21 62.69,83.39 62.95,83.55 63.22,83.69 63.51,83.81 63.8,83.91 64.09,83.98 64.39,84.04 64.7,84.07 65,84.08 65.3,84.06 65.61,84.02 65.9,83.96 66.2,83.88 66.48,83.78 66.76,83.66 67.03,83.51 67.28,83.35 67.52,83.17 67.75,82.97 67.96,82.75 68.16,82.52 68.33,82.27 68.49,82.02 68.63,81.75 68.75,81.47 68.85,81.19 68.92,80.89 68.97,80.6 69,80.3 69.01,80 69,79.7 68.96,79.4 68.9,79.11 68.82,78.82 68.72,78.54 68.6,78.27 68.46,78 68.3,77.75 68.12,77.51 67.92,77.29 67.71,77.08 67.48,76.89 67.24,76.72 66.99,76.56 66.72,76.43 66.45,76.31 66.17,76.21 65.88,76.14 65.59,76.09 65.3,76.06 65,76.05 64.69,76.07 64.38,76.1 64.08,76.17 63.78,76.26 63.49,76.37 63.22,76.5 62.95,76.65 62.69,76.82 62.45,77.02 62.23,77.23 62.02,77.46 61.83,77.7 61.67,77.96 61.52,78.23 61.39,78.51 61.29,78.79 61.21,79.09 61.15,79.39 61.12,79.69 61.11,80 61.13,80.3 61.17,80.61 61.23,80.91 61.31,81.2 61.42,81.48 61.55,81.76 61.7,82.02 61.88,82.27 62.07,82.51 62.27,82.73 62.5,82.93 62.74,83.11 62.99,83.28 63.25,83.42 63.53,83.55 63.81,83.65 64.1,83.73 64.4,83.78 64.7,83.82 65,83.83 65.3,83.81 65.6,83.77 65.89,83.71 66.18,83.63 66.46,83.52 66.73,83.39 66.99,83.24 67.23,83.07 67.47,82.89 67.68,82.68 67.88,82.46 68.06,82.23 68.23,81.98 68.37,81.72 68.49,81.45 68.59,81.17 68.67,80.88 68.72,80.59 68.75,80.3 68.76,80 68.75,79.71 68.71,79.41 68.65,79.12 68.57,78.84 68.46,78.57 68.34,78.3 68.19,78.05 68.02,77.8 67.84,77.57 67.64,77.36 67.42,77.17 67.19,76.99 66.94,76.83 66.69,76.69 66.42,76.57 66.15,76.47 65.87,76.39 65.58,76.34 65.29,76.31 65,76.3 64.69,76.32 64.39,76.36 64.09,76.42 63.8,76.51 63.52,76.63 63.25,76.76 62.99,76.92 62.74,77.1 62.51,77.3 62.3,77.52 62.11,77.75 61.94,78 61.78,78.26 61.65,78.53 61.55,78.81 61.46,79.1 61.41,79.4 61.37,79.7 61.36,80 61.38,80.3 61.42,80.6 61.48,80.89 61.57,81.18 61.68,81.45 61.82,81.72 61.97,81.98 62.15,82.22 62.35,82.44 62.56,82.65 62.79,82.84 63.03,83.01 63.29,83.16 63.56,83.29 63.83,83.39 64.12,83.48 64.41,83.53 64.7,83.57 65,83.58 65.29,83.56 65.59,83.52 65.88,83.46 66.16,83.37 66.43,83.26 66.69,83.13 66.94,82.97 67.18,82.8 67.4,82.61 67.61,82.4 67.79,82.17 67.96,81.93 68.11,81.68 68.23,81.42 68.33,81.14 68.41,80.86 68.47,80.58 68.5,80.29 68.51,80 68.5,79.71 68.46,79.42 68.4,79.14 68.31,78.86 68.2,78.6 68.07,78.34 67.92,78.09 67.75,77.86 67.56,77.64 67.36,77.44 67.14,77.26 66.9,77.09 66.65,76.95 66.39,76.83 66.12,76.72 65.85,76.65 65.57,76.59 65.29,76.56 65,76.55 64.7,76.57 64.4,76.61 64.11,76.68 63.82,76.77 63.55,76.89 63.29,77.03 63.04,77.19 62.8,77.38 62.58,77.58 62.38,77.8 62.21,78.04 62.05,78.3 61.91,78.56 61.8,78.84 61.72,79.12 61.66,79.41 61.62,79.7 61.61,80 61.63,80.29 61.67,80.59 61.74,80.87 61.83,81.15 61.95,81.42 62.08,81.68 62.25,81.93 62.43,82.16 62.63,82.37 62.84,82.57 63.08,82.74 63.33,82.9 63.59,83.03 63.86,83.14 64.14,83.22 64.42,83.28 64.71,83.32 65,83.33 65.29,83.31 65.58,83.27 65.86,83.2 66.13,83.11 66.4,83 66.65,82.86 66.89,82.7 67.12,82.53 67.33,82.33 67.52,82.11 67.69,81.89 67.84,81.64 67.97,81.39 68.08,81.12 68.16,80.85 68.22,80.57 68.25,80.28 68.26,80 68.25,79.72 68.21,79.43 68.14,79.16 68.05,78.89 67.94,78.63 67.81,78.38 67.65,78.14 67.48,77.92 67.28,77.72 67.07,77.53 66.85,77.36 66.61,77.21 66.36,77.08 66.1,76.98 65.83,76.9 65.56,76.84 65.28,76.81 65,76.8 64.71,76.82 64.41,76.86 64.13,76.93 63.85,77.03 63.58,77.15 63.33,77.3 63.09,77.47 62.86,77.66 62.66,77.87 62.48,78.09 62.31,78.34 62.17,78.59 62.06,78.86 61.97,79.14 61.91,79.42 61.87,79.71 61.86,80 61.88,80.29 61.92,80.58 61.99,80.86 62.09,81.13 62.21,81.39 62.35,81.64 62.52,81.88 62.7,82.09 62.91,82.29 63.13,82.47 63.37,82.63 63.62,82.77 63.88,82.88 64.16,82.97 64.43,83.03 64.72,83.07 65,83.08 65.28,83.06 65.56,83.02 65.84,82.95 66.11,82.85 66.36,82.74 66.61,82.6 66.84,82.43 67.05,82.25 67.25,82.05 67.42,81.83 67.58,81.6 67.71,81.35 67.82,81.09 67.91,80.83 67.97,80.55 68,80.28 68.01,80 68,79.72 67.95,79.45 67.89,79.18 67.8,78.92 67.68,78.67 67.54,78.43 67.38,78.2 67.2,77.99 67.01,77.8 66.79,77.63 66.56,77.47 66.32,77.34 66.07,77.24 65.81,77.15 65.54,77.09 65.27,77.06 65,77.05 64.71,77.07 64.43,77.11 64.15,77.19 63.88,77.29 63.62,77.42 63.37,77.57 63.15,77.74 62.94,77.94 62.75,78.15 62.58,78.38 62.44,78.63 62.32,78.89 62.23,79.16 62.16,79.44 62.12,79.72 62.11,80 62.13,80.28 62.18,80.56 62.25,80.83 62.35,81.1 62.47,81.35 62.62,81.59 62.79,81.81 62.98,82.02 63.19,82.2 63.42,82.37 63.66,82.51 63.91,82.62 64.18,82.71 64.45,82.78 64.72,82.82 65,82.83 65.28,82.81 65.55,82.76 65.82,82.69 66.08,82.6 66.32,82.47 66.56,82.33 66.77,82.16 66.98,81.98 67.16,81.77 67.32,81.55 67.45,81.31 67.57,81.06 67.65,80.81 67.72,80.54 67.75,80.27 67.76,80 67.75,79.73 67.7,79.46 67.63,79.2 67.54,78.95 67.42,78.71 67.28,78.48 67.11,78.26 66.93,78.07 66.73,77.89 66.51,77.74 66.28,77.6 66.04,77.49 65.79,77.41 65.53,77.34 65.27,77.31 65,77.3 64.72,77.32 64.44,77.37 64.17,77.44 63.91,77.55 63.66,77.68 63.43,77.84 63.21,78.02 63.02,78.22 62.85,78.44 62.7,78.67 62.58,78.92 62.48,79.18 62.41,79.45 62.37,79.72 62.36,80 62.38,80.28 62.43,80.55 62.5,80.81 62.61,81.07 62.73,81.31 62.89,81.54 63.06,81.75 63.26,81.94 63.47,82.1 63.7,82.25 63.95,82.37 64.2,82.46 64.46,82.53 64.73,82.57 65,82.58 65.27,82.56 65.53,82.51 65.79,82.44 66.04,82.34 66.28,82.21 66.5,82.06 66.7,81.89 66.89,81.7 67.05,81.49 67.19,81.27 67.31,81.03 67.4,80.78 67.47,80.52 67.5,80.26 67.51,80 67.49,79.74 67.45,79.48 67.38,79.23 67.28,78.98 67.16,78.75 67.01,78.54 66.85,78.34 66.66,78.16 66.45,78 66.24,77.86 66,77.75 65.76,77.66 65.51,77.6 65.26,77.56 65,77.55 64.73,77.57 64.46,77.62 64.2,77.7 63.94,77.81 63.71,77.94 63.49,78.11 63.29,78.29 63.11,78.49 62.96,78.72 62.83,78.96 62.73,79.21 62.66,79.47 62.62,79.73 62.61,80 62.63,80.27 62.68,80.53 62.76,80.78 62.87,81.03 63,81.26 63.15,81.47 63.33,81.67 63.53,81.84 63.75,81.99 63.98,82.11 64.23,82.21 64.48,82.28 64.74,82.31 65,82.33 65.26,82.31 65.52,82.26 65.76,82.18 66,82.08 66.23,81.95 66.43,81.8 66.62,81.62 66.79,81.43 66.93,81.22 67.05,80.99 67.15,80.75 67.21,80.51 67.25,80.25 67.26,80 67.24,79.75 67.2,79.5 67.12,79.26 67.02,79.03 66.9,78.81 66.75,78.61 66.58,78.42 66.39,78.26 66.18,78.12 65.96,78 65.73,77.91 65.49,77.85 65.25,77.81 65,77.8 64.74,77.82 64.48,77.87 64.22,77.96 63.99,78.07 63.76,78.21 63.56,78.37 63.38,78.56 63.22,78.77 63.09,79 62.99,79.24 62.92,79.49 62.87,79.74 62.86,80 62.88,80.26 62.93,80.51 63.01,80.75 63.12,80.98 63.26,81.2 63.42,81.4 63.6,81.57 63.81,81.73 64.03,81.85 64.26,81.95 64.5,82.02 64.75,82.06 65,82.08 65.25,82.06 65.49,82.01 65.73,81.93 65.96,81.82 66.17,81.69 66.36,81.53 66.53,81.35 66.68,81.16 66.8,80.94 66.9,80.72 66.96,80.48 67,80.24 67.01,80 66.99,79.76 66.94,79.52 66.87,79.29 66.76,79.07 66.64,78.87 66.48,78.68 66.31,78.52 66.12,78.38 65.92,78.26 65.7,78.16 65.47,78.1 65.24,78.06 65,78.05 64.75,78.07 64.5,78.13 64.26,78.21 64.04,78.33 63.83,78.47 63.64,78.64 63.48,78.84 63.35,79.05 63.24,79.27 63.17,79.51 63.12,79.75 63.11,80 63.13,80.25 63.19,80.49 63.27,80.72 63.38,80.93 63.52,81.13 63.69,81.31 63.87,81.47 64.08,81.6 64.3,81.7 64.52,81.77 64.76,81.81 65,81.83 65.24,81.8 65.47,81.75 65.69,81.67 65.9,81.56 66.1,81.43 66.27,81.27 66.42,81.09 66.54,80.89 66.64,80.68 66.71,80.46 66.75,80.23 66.76,80 66.74,79.77 66.69,79.55 66.61,79.33 66.51,79.13 66.38,78.94 66.22,78.78 66.05,78.63 65.86,78.51 65.66,78.41 65.44,78.35 65.22,78.31 65,78.3 64.76,78.32 64.52,78.38 64.3,78.47 64.09,78.59 63.91,78.74 63.74,78.91 63.6,79.1 63.49,79.31 63.42,79.54 63.37,79.77 63.36,80 63.38,80.23 63.44,80.46 63.53,80.67 63.64,80.87 63.78,81.05 63.95,81.21 64.14,81.34 64.34,81.45 64.55,81.52 64.78,81.56 65,81.58 65.22,81.55 65.44,81.5 65.65,81.42 65.84,81.31 66.01,81.17 66.16,81.01 66.29,80.83 66.39,80.64 66.46,80.43 66.5,80.22 66.51,80 66.49,79.79 66.44,79.58 66.36,79.38 66.25,79.19 66.12,79.03 65.97,78.88 65.8,78.76 65.61,78.67 65.41,78.6 65.21,78.56 65,78.55 65,78.6 64.63,78.97 64.59,78.98 ; v1(65.35,60) 65,60.35 65,60.55 64.68,60.56 64.37,60.6 64.06,60.66 63.75,60.74 63.45,60.84 63.16,60.97 62.88,61.11 62.61,61.28 62.35,61.46 62.1,61.66 61.88,61.88 61.66,62.11 61.47,62.36 61.29,62.62 61.13,62.89 60.99,63.17 60.88,63.46 60.78,63.76 60.7,64.07 60.65,64.37 60.62,64.69 60.61,65 60.63,65.31 60.66,65.62 60.72,65.93 60.8,66.23 60.9,66.53 61.02,66.82 61.17,67.09 61.33,67.36 61.51,67.61 61.71,67.85 61.92,68.08 62.15,68.29 62.39,68.48 62.65,68.66 62.92,68.81 63.2,68.95 63.48,69.07 63.78,69.16 64.08,69.23 64.38,69.29 64.69,69.32 65,69.33 65.31,69.31 65.61,69.28 65.92,69.22 66.22,69.14 66.51,69.04 66.79,68.92 67.06,68.78 67.33,68.62 67.58,68.44 67.81,68.25 68.04,68.04 68.24,67.81 68.43,67.57 68.6,67.32 68.76,67.05 68.89,66.78 69.01,66.49 69.1,66.2 69.17,65.91 69.22,65.61 69.25,65.3 69.26,65 69.25,64.7 69.21,64.39 69.16,64.1 69.08,63.8 68.98,63.52 68.86,63.24 68.72,62.97 68.57,62.71 68.39,62.46 68.2,62.23 67.99,62.01 67.77,61.8 67.53,61.62 67.28,61.45 67.02,61.3 66.75,61.16 66.47,61.05 66.19,60.96 65.89,60.89 65.6,60.84 65.3,60.81 65,60.8 64.69,60.81 64.37,60.85 64.07,60.91 63.77,61 63.47,61.1 63.19,61.23 62.91,61.38 62.65,61.55 62.4,61.74 62.16,61.94 61.95,62.17 61.74,62.4 61.56,62.66 61.4,62.92 61.26,63.2 61.13,63.48 61.03,63.78 60.96,64.08 60.9,64.38 60.87,64.69 60.86,65 60.88,65.31 60.91,65.62 60.97,65.92 61.06,66.22 61.16,66.51 61.29,66.79 61.43,67.06 61.6,67.32 61.79,67.56 61.99,67.79 62.21,68.01 62.44,68.21 62.69,68.39 